# Altium PCB STM32CoreBoard_丝印.PcbDoc (continued)
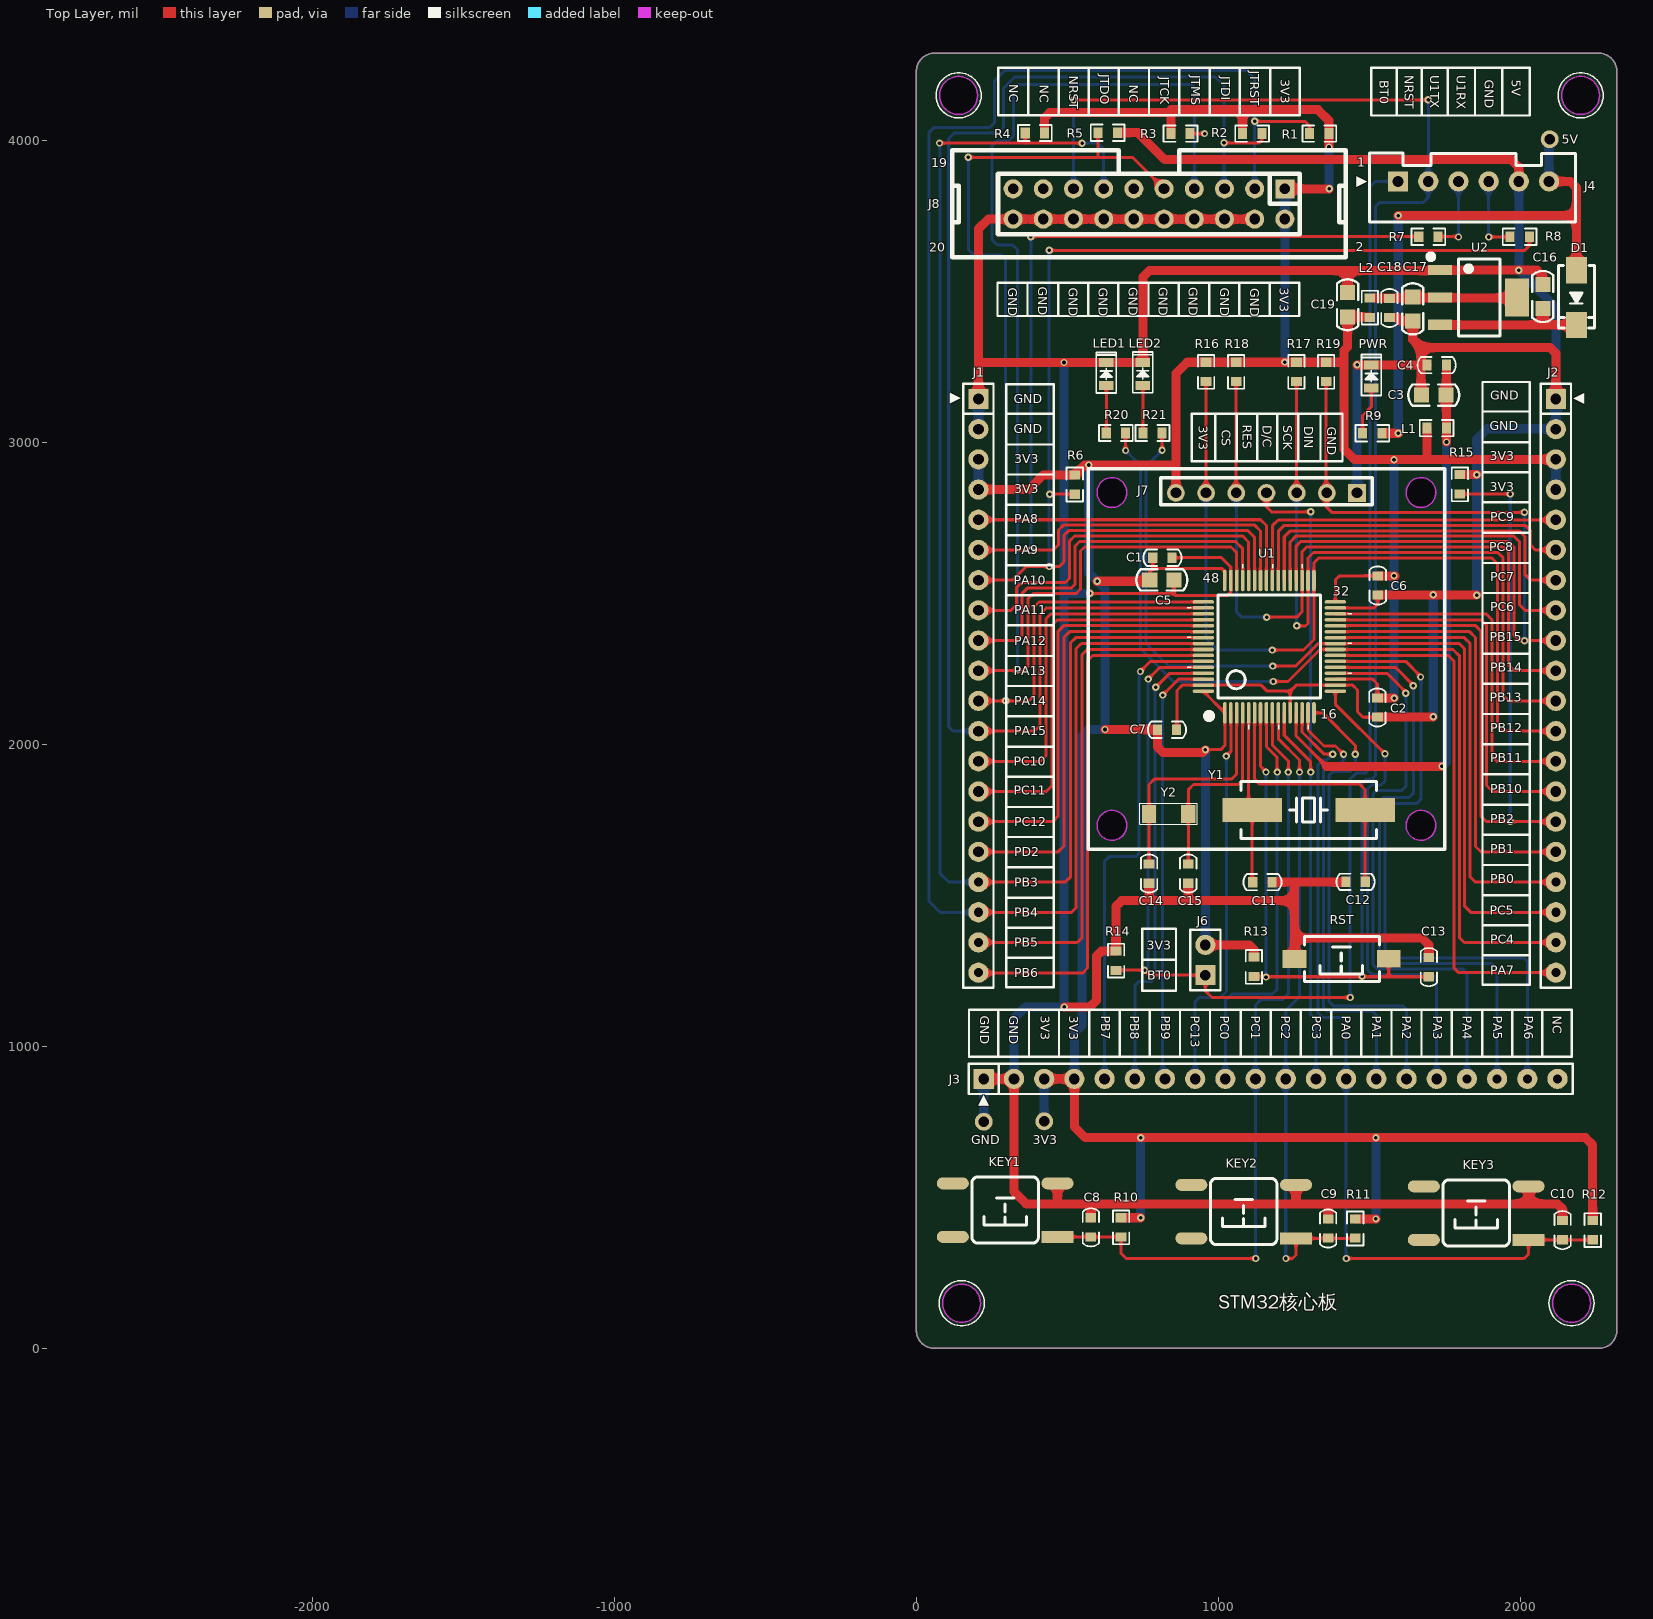
[diagram p0: Top Layer view]
## Nets (pads, with @x,y where several pads share a name; then routed paths per layer and width w, separated by ;. In a path a pad name is that pad's centre, name@x,y a point inside that pad or via, vN(x,y) a via of type N, cw(c..) or ccw(c..) an arc to the next point about the centre after c; other vN are vias at no path point) (continued)
  Bottom Layer w30: J1.2 J1.1 ; GND.1 J3.1 ; J3.2 323.43,1093.43 361,1131 v1(490.16,1131) ; v1@489,1131.89 v1(489,3265.38) ; 492,2501 v1(574,2501) ; J7.1 v1(1459.65,3257.65) ; v1(1712,2092) v1(1712,2496) ; v1(1856,2495) v1(1856,2894) 1856,3011 1891,3046 2116.8,3046 J2.2 J2.1 2118.11,3447.89 v1(1995,3571) ; v1@1995.47,3571.47 J4.5
I2C1_SCL: J1.20 U1.58 | length 1771.4
  Top Layer w10: J1.20@214.17,1236.22 221.06,1243.11 550.2,1243.11 567.21,1260.13 567.21,2277.84 584.63,2295.26 U1.58
I2C1_SDA: J3.5 U1.59 | length 1672.6
  Top Layer w10: v1(742,2242) 775.57,2275.57 U1.59
  Bottom Layer w10: J3.5 623.43,1613.43 639,1629 727,1629 738,1640 738,2238 v1(742,2242)
JTCK: J1.11 J8.9 R5.2 U1.49 | length 3730.6
  Top Layer w10: v1(172.13,3945.01) 586.87,3944.87 602,3944.87 ; J1.11 372.05,2144.68 389.76,2162.4 389.76,2455.71 406.48,2472.43 U1.49 ; R5.2 601.86,3945.01 602,3944.87 ; J8.9 716.15,3944.87 602,3944.87
  Bottom Layer w10: v1(172.13,3945.01) 172.13,3639.87 190,3622 281,3622 296,3607 v1(296,2145)
JTDI: J1.12 J8.5 R2.2 U1.50 | length 4760.5
  Top Layer w10: J1.12 390.68,2044.68 409.45,2063.45 409.45,2432.09 430.1,2452.74 U1.50 ; v1(1018.91,3992.91) 1135.62,3992.91 1144.2,4001.49 R2.2
  Bottom Layer w10: J1.12 205.39,2045 121,2045 107.31,2058.68 107.31,4007.32 125.31,4025.31 269.31,4025.31 288.59,4044.59 288.59,4174 325.59,4211 990.91,4211 1018.91,4183 v1(1018.91,3992.91) 1018.91,3842.53 1018.7,3842.32 J8.5
JTDO: J1.17 J8.13 R4.2 U1.55 | length 4811.6
  Top Layer w10: v1@76.77,3991.14 77.63,3992 v1(549,3992) ; J1.17 493.5,1544.68 509.84,1561.02 509.84,2336.61 527.54,2354.32 U1.55 ; 360.72,3991.14 R4.2
  Bottom Layer w10: v1@77.76,3992.19 77.76,1574 107.07,1544.68 J1.17 ; v1(549,3992) 601,3992 620.47,3972.53 J8.13
  other v1: 76.77,3992.19
JTMS: J1.10 J8.7 R3.2 U1.46 | length 4397.5
  Top Layer w10: J1.10 353.94,2244.68 369.09,2259.84 369.09,2482.09 387,2500 529,2500 544,2515 544,2641 557.68,2654.68 1042.17,2654.68 1061.02,2635.83 U1.46 ; R3.2 v1(954.72,4023.62)
  Bottom Layer w10: v1(335,2247) 335,3639 319,3655 268,3655 250,3673 250,3983 266,3999 305,3999 321,4015 321,4170 337,4186 910.47,4186 920.47,4176 920.47,4023.62 ; J8.7 920.47,4023.62 ; v1(954.72,4023.62) 920.47,4023.62
JTRST: J1.18 J8.3 R1.2 U1.56 | length 6176.2
  Top Layer w10: J1.18 513.58,1444.68 529.53,1460.63 529.53,2317.91 546.24,2334.63 U1.56 ; v1(1120.47,4064.37) 1287.01,4064.37 1302.65,4048.73 R1.2
  Bottom Layer w10: J1.18 78.65,1444.68 41.34,1482 41.34,4026.57 58.07,4043.31 242.13,4043.31 259.25,4060.43 259.25,4199 293.25,4233 1093,4233 1120.47,4205.53 v1(1120.47,4064.37) J8.3
KEY1: C8.1 J3.10 KEY1.1 R10.1 U1.9 | length 2633.4
  Top Layer w10: KEY1.1 R10.1@677.39,369.62 ; R10.1 678.03,314.97 695,298 v1(1124,298) ; U1.9 1179.13,1998.87 1232,1946 v1(1232,1909)
  Bottom Layer w10: v1@1123.43,297.43 J3.10 1123.43,1137.43 1141,1155 1212,1155 1232,1175 v1(1232,1909)
KEY2: C9.1 J3.11 KEY2.1 R11.1 U1.10 | length 2144.4
  Top Layer w10: U1.10 1198.82,2019.18 1269,1949 v1(1269,1909) ; v1(1224,298) 1246,298 1257.32,309.32 KEY2.1 R11.1@1453.21,364.62
  Bottom Layer w10: v1@1223.43,298 J3.11 1223.43,1119.43 1269,1165 v1(1269,1909)
KEY3: C10.1 J3.13 KEY3.1 R12.1 U1.14 | length 2839.9
  Top Layer w10: U1.14 1277.56,2041.44 1350.79,1968.21 v1(1379,1968.21) ; v1(1424,298) 2013,298 2027.32,312.32 KEY3.1 R12.1@2239.74,359.62
  Bottom Layer w10: v1(1379,1968.21) 1359.61,1948.82 1345.47,1948.82 1331,1934.35 1331,1110.93 1345.47,1096.46 1411.42,1096.46 1423.43,1084.45 J3.13 v1@1423.43,298
LED1: J2.19 R20.1 U1.24 | length 3136.9
  Top Layer w10: v1(693,2974) R20.1 ; v1(1182,2209) 1231,2209 1336.94,2314.94 1777.57,2314.94 1798.21,2294.31 1798.21,1361.24 1814.76,1344.68 J2.19
  Bottom Layer w10: v1(693,2974) 743,2924 743,2317 851,2209 v1@1171,2209
LED2: J2.18 R21.1 U1.25 | length 2996.6
  Top Layer w10: v1(814,2975) R21.1 ; v1(1180,2260) 1256.54,2260 1331.17,2334.63 1798.24,2334.63 1816.21,2316.66 1816.21,1464.3 1835.83,1444.68 J2.18
  Bottom Layer w10: v1(814,2975) 761,2922 761,2334 835,2260 v1@1170,2260
NetC3_1: C3.1 C4.1 L1.1 U1.13 | length 1935.3
  Top Layer w10: U1.13 1257.87,2028.13 1358,1928
  Top Layer w30: 1358,1928 v1(1741,1928) ; v1@1755.43,3001.57 L1.1 C4.1@1755.43,3254.92
  Bottom Layer w30: v1(1741,1928) 1756,1943 v1(1756,3002)
NetC16_1: C16.1 D1.2 U2.3 | length 481
  Top Layer w30: U2.3@1761.73,3389.76 2075,3389.76 ; C16.1@2081.07,3444 2075,3437.93 2075,3389.76 ; D1.2 2075,3389.76
NetC17_1: C17.1 C18.1 L2.1 U2.2 | length 495.6
  Top Layer w30: L2.1@1516.25,3479.33 1756.81,3479.33 U2.2@2011.81,3479.33
NetLED1_1: LED1.1 R20.2 | length 157
  Top Layer w10: R20.2 LED1.1
NetLED2_1: LED2.1 R21.2 | length 158
  Top Layer w10: R21.2 LED2.1
NetPWR_1: PWR.1 R9.2 | length 162.5
  Top Layer w10: R9.2 1478,3090 1506.89,3118.89 PWR.1
NRST: C13.1 J4.2 J8.15 R13.1 RST.1 U1.7 | length 6081.2
  Top Layer w10: v1(521,4135) 1694.94,4135 v1(1695.47,4135.53) ; R13.1 1155.93,1232.07 1156.93,1231.07 1564.57,1231.07 ; U1.7 1139.76,1928.24 v1@1158,1910 ; RST.1 1564.57,1231.07 ; C13.1 1564.57,1231.07
  Bottom Layer w10: J8.15 521,3841.08 v1(521,4135) ; v1(1158,1230) v1@1158,1910 ; v1(1476.38,1232.28) 1476.38,1872.05 1488.19,1883.86 1506.89,1883.86 1520.67,1897.64 1520.67,3782.48 1533.19,3795 1678,3795 1695.47,3812.47 J4.2 v1(1695.47,4135.53)
  other v1: 1158,1909
OLED_CS: J2.12 J7.6 R16.2 U1.33 | length 2844
  Top Layer w10: J7.6 R16.2 ; v1(1179,2313) 1282,2313 1316.93,2347.93 1316.93,2602.36 1332.66,2618.09 1905.53,2618.09 1924.21,2599.41 1924.21,2062.01 1941.54,2044.68 J2.12
  Bottom Layer w10: J7.6 959.65,2351.35 998,2313 v1@1170,2313
OLED_DC: J3.12 J7.4 U1.11 | length 2317.5
  Top Layer w10: J7.4 1159.65,2787.35 1176,2771 v1(1306,2771) ; U1.11 1218.5,2030.5 1306,1943 v1(1306,1909)
  Bottom Layer w10: v1(1306,2771) v1(1306,1909) 1306,1105.42 1323.43,1087.99 J3.12
OLED_DIN: J2.9 J7.2 R19.2 U1.36 | length 2795.1
  Top Layer w10: U1.36 1257.87,2657.33 1272.64,2672.09 1961.76,2672.09 1979.46,2654.39 1979.46,2362.07 1996.85,2344.68 J2.9 ; R19.2 1357.28,2787.97 1376,2769.25 v1(2014.25,2769.25)
  Bottom Layer w10: J7.2@1357.28,2836.02 J7.2 ; v1(2014.25,2343.75) v1(2014.25,2769.25)
OLED_RES: J2.10 J7.5 R18.2 U1.35 | length 2419.1
  Top Layer w10: R18.2 1059.06,2834.25 J7.5 ; v1@1170,2422 1260,2422 1277.56,2439.56 1277.56,2638.78 1292.87,2654.09 1943.35,2654.09 1961.46,2635.98 1961.46,2262.94 1979.72,2244.68 J2.10
  Bottom Layer w10: J7.5 1059.65,2440.35 1078,2422 v1(1160,2422)
OLED_SCK: J2.11 J7.3 R17.2 U1.34 | length 2365.6
  Top Layer w10: R17.2 1258.86,2834.45 J7.3 ; v1@1260,2393 1289,2393 1297.24,2401.24 1297.24,2618.11 1315.23,2636.09 1925.91,2636.09 1943.46,2618.54 1943.46,2162.83 1961.61,2144.68 J2.11
  Bottom Layer w10: v1(1259.65,2393.35) J7.3
OSC32_IN: C14.1 U1.3 Y2.1 | length 770.6
  Top Layer w10: C14.1 Y2.1 770.67,1868.11 788.18,1885.62 1044.08,1885.62 1061.02,1902.56 U1.3
OSC32_OUT: C15.1 U1.4 Y2.2 | length 661.5
  Top Layer w10: C15.1@900.59,1604.83 Y2.2 900.59,1850.39 917.82,1867.62 1065.45,1867.62 1080.71,1882.87 U1.4
OSC_IN: C11.1 U1.5 Y1.1 | length 566.4
  Top Layer w10: U1.5 1100.39,1795.28 Y1.1 1112.2,1546.58 C11.1
OSC_OUT: C12.1 U1.6 Y1.2 | length 905.6
  Top Layer w10: U1.6 1120.08,1886.81 1137.8,1869.09 1468.5,1869.09 1486.22,1851.38 Y1.2 1486.22,1545.77 C12.1
PA1: J3.14 U1.15 | length 1491.1
  Top Layer w10: U1.15 1297.24,2047.76 1350,1995 1388.21,1995 v1(1415,1968.21)
  Bottom Layer w10: v1(1415,1968.21) 1415,1948.46 1396.23,1929.69 1362.76,1929.69 1349,1915.93 1349,1128.36 1360.36,1117 1510.95,1117 1523.43,1104.53 J3.14
PA2: J3.15 U1.16 | length 1597.4
  Top Layer w10: U1.16 1345.72,2105.28 1454,1997 v1(1454,1968.21)
  Bottom Layer w10: v1(1454,1968.21) 1454,1928.41 1436.02,1910.43 1378.94,1910.43 1367,1898.5 1367,1148.75 1380.75,1135 1612.05,1135 1623.43,1123.62 J3.15
PA3: J3.16 U1.17 | length 1608
  Top Layer w10: U1.17 1387.8,2133.86 v1(1552.17,1969.49)
  Bottom Layer w10: v1(1552.17,1969.49) 1552.17,1878.94 1539.09,1865.86 1507.59,1865.86 1494.38,1852.65 1494.38,1252.67 1507.87,1239.17 1709.65,1239.17 1723.43,1225.39 J3.16
PA4: J3.17 U1.20 | length 1928.6
  Top Layer w10: U1.20 1558.8,2236.2 1621,2174 v1(1621,2170)
  Bottom Layer w10: v1(1621,2170) 1621,1861.16 1607.7,1847.86 1525.02,1847.86 1512.38,1835.21 1512.38,1271.09 1526.29,1257.17 1809.76,1257.17 1823.43,1243.5 J3.17
PA5: J3.18 U1.21 | length 2053.6
  Top Layer w10: U1.21 1587.11,2255.89 1646,2197 v1(1646,2195)
  Bottom Layer w10: v1(1646,2195) 1646,1838.91 1631.89,1824.8 1546.26,1824.8 1534.45,1812.99 1534.45,1289.37 1548.65,1275.17 1905.83,1275.17 1923.43,1257.57 J3.18
PA6: J3.19 U1.22 | length 2195.6
  Top Layer w10: U1.22 1620.43,2275.57 1670,2226 v1(1670,2224)
  Bottom Layer w10: v1@1669,2224 v1(1670,2224) 1671,2223 1671,1818.64 1656.5,1804.13 1565.24,1804.13 1552.45,1791.34 1552.45,1308.77 1568.05,1293.17 2012.83,1293.17 2023.43,1282.57 J3.19
PA7: J2.20 U1.23 | length 1760.5
  Top Layer w10: U1.23 1761.83,2295.26 1780.21,2276.87 1780.21,1261.13 1796.65,1244.68 J2.20
PA8: J1.5 U1.41 | length 1143.8
  Top Layer w10: J1.5 1140.16,2744.68 1159.45,2725.39 U1.41
PA9: J1.6 R7.1 U1.42 | length 3492.7
  Top Layer w10: J1.6 206.69,2643.7 452.7,2643.7 471,2662 471,2711 486.68,2726.68 1120.76,2726.68 1139.76,2707.68 U1.42 ; v1(379.09,3682.09) R7.1
  Bottom Layer w10: v1(379,2644) 379.09,2644.09 v1(379.09,3682.09)
PA10: J1.7 R6.2 R8.1 U1.43 | length 3942.1
  Top Layer w10: J1.7 318.68,2544.68 364,2590 v1(440,2590) 473,2590 489,2606 489,2693 504.68,2708.68 1098.43,2708.68 1120.08,2687.03 U1.43 ; v1(440,3637) 2015,3637 2030.03,3652.03 R8.1 ; v1(441.78,2829.22) R6.2
  Bottom Layer w10: v1(440,2590) v1(440,3637)
PA11: J1.8 U1.44 | length 1238.1
  Top Layer w10: J1.8 313.78,2444.68 331,2461.91 331,2519 349,2537 493,2537 508,2552 508,2675 523.68,2690.68 1080.97,2690.68 1100.39,2671.26 U1.44
PA12: J1.9 U1.45 | length 1281.5
  Top Layer w10: J1.9 332.87,2344.68 349.41,2361.22 349.41,2499.95 367.46,2518 512,2518 526,2532 526,2658 540.68,2672.68 1057.09,2672.68 1080.71,2649.06 U1.45
PB0: J2.17 U1.26 | length 1518.9
  Top Layer w10: U1.26 1814.98,2354.31 1834.21,2335.08 1834.21,1561.46 1850.98,1544.68 J2.17
PB1: J2.16 U1.27 | length 1437.7
  Top Layer w10: U1.27 1832.69,2374 1852.21,2354.48 1852.21,1662.55 1870.08,1644.68 J2.16
PB2: J2.15 R15.1 U1.28 | length 2609.9
  Top Layer w10: U1.28 1852.38,2393.68 1870.21,2375.85 1870.21,1762.66 1888.19,1744.68 J2.15 ; R15.1 v1@1966.8,2830.2
  Bottom Layer w10: v1(1967,1745) v1(1967,2830)
PB5: J1.19 U1.57 | length 1695.9
  Top Layer w10: J1.19 532.68,1344.68 549.21,1361.22 549.21,2298.23 565.93,2314.94 U1.57
PB8: J3.6 U1.61 | length 1527
  Top Layer w10: v1(793,2190) 839.2,2236.2 U1.61
  Bottom Layer w10: J3.6 723.43,1201.43 738,1216 779,1216 791,1228 791,2188 v1(793,2190)
PB9: J3.7 U1.62 | length 1430.9
  Top Layer w10: v1(816,2164) 868.52,2216.52 U1.62
  Bottom Layer w10: v1(816,2164) 816,900.14 J3.7
PB10: J2.14 U1.29 | length 1276.6
  Top Layer w10: U1.29 1870.09,2413.37 1888.21,2395.25 1888.21,1864.74 1908.27,1844.68 J2.14
PB11: J2.13 U1.30 | length 1197.2
  Top Layer w10: U1.30 1886.83,2433.06 1906.21,2413.67 1906.21,1961.9 1923.43,1944.68 J2.13
PC0: J3.9 U1.8 | length 1376.9
  Top Layer w10: U1.8 1159.45,1993.1 1195,1957.54 v1(1195,1909)
  Bottom Layer w10: J3.9 1023.43,1152.43 1045,1174 1179,1174 1195,1190 v1(1195,1909)
PC6: J2.8 U1.37 | length 1239.6
  Top Layer w10: U1.37 1238.19,2671.26 1257.02,2690.09 1979.2,2690.09 1997.46,2671.83 1997.46,2463.17 2015.94,2444.68 J2.8
PC7: J2.7 U1.38 | length 1193.5
  Top Layer w10: U1.38 1218.5,2687.99 1238.61,2708.09 1996.63,2708.09 2015.46,2689.26 2015.46,2564.26 2035.04,2544.68 J2.7
PC8: J2.6 U1.39 | length 1152.7
  Top Layer w10: U1.39 1198.82,2706.69 1218.22,2726.09 2017.02,2726.09 2033.46,2709.65 2033.46,2661.42 2050.2,2644.68 J2.6
PC9: J2.5 U1.40 | length 1130.9
  Top Layer w10: U1.40 1179.13,2724.41 1198.82,2744.09 2111.62,2744.09 J2.5@2118.11,2750.59
PC10: J1.13 U1.51 | length 1213.2
  Top Layer w10: J1.13 411.22,1944.68 428.94,1962.4 428.94,2416.14 445.85,2433.06 U1.51
PC11: J1.14 U1.52 | length 1292
  Top Layer w10: J1.14 430.31,1844.68 448.82,1863.19 448.82,2394.68 467.5,2413.37 U1.52
PC12: J1.15 U1.53 | length 1372.5
  Top Layer w10: J1.15 451.38,1744.68 468.5,1761.81 468.5,2374.02 488.17,2393.68 U1.53
PC13: J3.8 U1.2 | length 1303
  Top Layer w10: v1(1026,1962) 1041.34,1977.34 U1.2
  Bottom Layer w10: J3.8 923.43,1148.43 938,1163 1007.54,1163 1027,1182.46 1027,1961 v1(1026,1962)
PD2: J1.16 U1.54 | length 1452.1
  Top Layer w10: J1.16 205.71,1644.99 469.8,1644.99 489.17,1664.37 489.17,2355.31 507.86,2374 U1.54
USART1_RX: J4.4 R8.2 | length 253.6
  Top Layer w10: v1(1895.47,3681.3) R8.2@1965.24,3681.3
  Bottom Layer w10: v1(1895.47,3681.3) J4.4
USART1_TX: J4.3 R7.2 | length 249.7
  Top Layer w10: R7.2@1728.06,3682.87 v1@1795.47,3682.87
  Bottom Layer w10: v1@1795.47,3682.87 J4.3
  other v1: 1795.47,3681.3
pads on no net: J3.20 J8.11 J8.17 J8.19 KEY1.3 KEY1.4 KEY2.3 KEY2.4 KEY3.3 KEY3.4

## Polygon pours and split planes (outlines as drawn)
GND on Bottom Overlay "Bottom Layer-No Net" (solid, remove dead copper): -48,4358 -36,4370 2448,4370

## Keep-outs
Keep-Out Layer:
  circle w5: c140,4150 r62.99
  circle w5: c2200,4150 r62.99
  circle w5: c2170,150 r62.99
  circle w5: c150,150 r62.99
  lines w5: 0,4230.13 0,60 ccw(c59.87,60) 59.87,0.13 ; 0.13,4230.13 cw(c60,4230.13) 60,4290 ; 59.87,0 2260,0 ccw(c2260,59.87) 2319.87,59.87 2319.87,4230 ; 59.87,4290 2260,4290 ; 2260.13,4289.87 cw(c2260.13,4230) 2320,4230

## Silkscreen, mask and mechanical layers (free items; w line width, h text height)
Top Overlay:
  circle w5: c140,4150 r74.79
  circle w5: c2200,4150 r74.79
  circle w5: c2170,150 r74.79
  circle w5: c150,150 r74.79
  lines w7.87: 268.7,3528.54 268.7,3419.29 1267.72,3419.29 1267.72,3529.53 268.7,3529.53 ; 270.67,4240.16 270.67,4084.65 1269.68,4084.65 1269.68,4241.14 270.67,4241.14 ; 271.65,965.55 271.65,1122.05 ; 298.23,1294.29 454.72,1294.29 ; 298.23,1593.5 454.72,1593.5 ; 298.23,1693.9 454.72,1693.9 ; 298.23,1793.31 454.72,1793.31 ; 298.23,1893.7 454.72,1893.7 ; 298.23,2293.31 454.72,2293.31 ; 298.23,2394.68 454.72,2394.68 ; 298.23,2593.5 454.72,2593.5 ; 298.23,2693.9 454.72,2693.9 ; 298.23,2894.68 454.72,2894.68 ; 298.23,3095.47 454.72,3095.47 ; 299.21,1493.11 454.72,1493.11 ; 299.21,1993.11 452.76,1993.11 ; 299.21,2093.5 454.72,2093.5 ; 299.21,2193.9 454.72,2193.9 ; 299.21,2794.29 454.72,2794.29 ; 299.21,2994.09 454.72,2994.09 ; 300.2,2494.09 454.72,2494.09 ; 301.18,1393.7 454.72,1393.7 ; 368.11,3419.29 368.11,3529.53 ; 370.08,4084.65 370.08,4241.14 ; 373.03,966.54 373.03,1122.05 ; 469.49,3419.29 469.49,3529.53 ; 471.46,4084.65 471.46,4241.14 ; 472.44,965.55 472.44,1122.05 ; 568.9,3419.29 568.9,3527.56 ; 570.87,4084.65 570.87,4239.17 ; 572.83,966.54 572.83,1122.05 ; 668.31,3419.29 668.31,3529.53 ; 670.28,4084.65 670.28,4241.14 ; 673.23,965.55 673.23,1122.05 ; 751.52,1287.46 859.79,1287.46 ; 768.7,3419.29 768.7,3529.53 ; 770.67,4084.65 770.67,4241.14 ; 773.62,965.55 773.62,1122.05 ; 869.09,3419.29 869.09,3528.54 ; 871.06,4084.65 871.06,4240.16 ; 873.03,967.52 873.03,1122.05 ; 969.49,3419.29 969.49,3529.53 ; 971.46,4084.65 971.46,4241.14 ; 972.44,965.55 972.44,1122.05 ; 990.16,3095.47 990.16,2938.98 ; 1061.02,2939.96 1061.02,3095.47 ; 1068.9,3419.29 1068.9,3528.54 ; 1070.87,4084.65 1070.87,4240.16 ; 1073.82,965.55 1073.82,1122.05 ; 1128.94,2938.98 1128.94,3095.47 ; 1170.28,3419.29 1170.28,3529.53 ; 1172.24,4084.65 1172.24,4241.14 ; 1173.23,966.54 1173.23,1122.05 ; 1194.88,2939.96 1194.88,3095.47 ; 1264.76,2938.98 1264.76,3095.47 ; 1273.62,966.54 1273.62,1122.05 ; 1338.58,2938.98 1338.58,3095.47 ; 1374.02,966.54 1374.02,1120.08 ; 1473.43,965.55 1473.43,1122.05 ; 1573.82,965.55 1573.82,1122.05 ; 1590.55,4084.65 1590.55,4241.14 ; 1673.23,965.55 1673.23,1122.05 ; 1674.21,4084.65 1674.21,4240.16 ; 1759.84,4084.65 1759.84,4241.14 ; 1773.62,965.55 1773.62,1122.05 ; 1850.39,4085.63 1850.39,4241.14 ; 1874.02,966.54 1874.02,1122.05 ; 1875,1302.17 2031.5,1302.17 ; 1875,1601.38 2031.5,1601.38 ; 1875,1701.77 2031.5,1701.77 ; 1875,1801.18 2031.5,1801.18 ; 1875,1901.57 2031.5,1901.57 ; 1875,2301.18 2031.5,2301.18 ; 1875,2402.56 2031.5,2402.56 ; 1875,2601.38 2031.5,2601.38 ; 1875,2701.77 2031.5,2701.77 ; 1875,2902.56 2031.5,2902.56 ; 1875,3103.35 2031.5,3103.35 ; 1875.98,1500.98 2031.5,1500.98 ; 1875.98,2000.98 2029.53,2000.98 ; 1875.98,2101.38 2031.5,2101.38 ; 1875.98,2201.77 2031.5,2201.77 ; 1875.98,2802.17 2031.5,2802.17 ; 1875.98,3001.97 2031.5,3001.97 ; 1876.97,2501.97 2031.5,2501.97 ; 1877.95,1401.57 2031.5,1401.57 ; 1940.95,4084.65 1940.95,4241.14 ; 1973.43,968.5 1973.43,1122.05 ; 2072.83,965.55 2072.83,1122.05 ; 298.23,1196.85 298.23,3192.91 454.72,3192.91 454.72,1196.85 298.23,1196.85 ; 298.23,1196.85 298.23,1196.85 ; 990.16,2938.98 912.4,2938.98 912.4,3095.47 1411.42,3095.47 1411.42,2938.98 990.16,2938.98 ; 174.21,965.55 174.21,1122.05 2170.28,1122.05 2170.28,965.55 174.21,965.55 ; 748.57,1184.12 859.79,1184.12 859.79,1389.83 748.57,1389.83 748.57,1184.12 ; 1506.89,4083.66 2031.5,4083.66 2031.5,4241.14 1506.89,4241.14 1506.89,4083.66 ; 1875,1204.72 2031.5,1204.72 2031.5,3200.79 1875,3200.79 1875,1204.72
  text "JTRST" at 1106.3,4232.28 h30 r270
  text "JTDO" at 608.27,4219.49 h30 r270
  text "U1RX" at 1789.37,4217.52 h30 r270
  text "JTMS" at 910.43,4216.54 h30 r270
  text "NRST" at 1617.13,4216.54 h30 r270
  text "U1TX" at 1702.76,4216.54 h30 r270
  text "NRST" at 506.89,4215.55 h30 r270
  text "JTDI" at 1009.84,4213.58 h30 r270
  text "JTCK" at 807.09,4212.6 h30 r270
  text "3V3" at 1206.69,4203.74 h30 r270
  text "GND" at 1882.87,4202.76 h30 r270
  text "5V" at 1971.46,4201.77 h30 r270
  text "BT0" at 1535.43,4199.8 h30 r270
  text "NC" at 307.09,4187.01 h30 r270
  text "NC" at 409.45,4186.02 h30 r270
  text "NC" at 705.71,4186.02 h30 r270
  text "▲" at 1451.77,3881.89 h60 r270
  text "GND" at 404.53,3515.75 h30 r270
  text "GND" at 703.74,3514.76 h30 r270
  text "GND" at 802.17,3514.76 h30 r270
  text "GND" at 902.56,3514.76 h30 r270
  text "GND" at 305.12,3513.78 h30 r270
  text "GND" at 504.92,3513.78 h30 r270
  text "GND" at 603.35,3513.78 h30 r270
  text "3V3" at 1202.76,3513.78 h30 r270
  text "GND" at 1005.91,3512.8 h30 r270
  text "GND" at 1106.3,3511.81 h30 r270
  text "▲" at 105,3165 h60 r270
  text "GND" at 1900.59,3142.72 h30
  text "GND" at 321.85,3129.92 h30
  text "▲" at 2219,3127 h60 r90
  text "RES" at 1081.69,3059.06 h30 r270
  text "D/C" at 1146.65,3058.07 h30 r270
  text "SCK" at 1215.55,3058.07 h30 r270
  text "3V3" at 936.02,3056.1 h30 r270
  text "DIN" at 1284.45,3055.12 h30 r270
  text "GND" at 1361.22,3052.17 h30 r270
  text "CS" at 1011.81,3042.32 h30 r270
  text "GND" at 1899.61,3041.34 h30
  text "GND" at 322.84,3030.51 h30
  text "3V3" at 1899.61,2941.93 h30
  text "3V3" at 324.8,2931.1 h30
  text "3V3" at 1899.61,2839.57 h30
  text "3V3" at 324.8,2832.68 h30
  text "PC9" at 1900.59,2740.16 h30
  text "PA8" at 323.82,2733.27 h30
  text "PC8" at 1896.65,2640.75 h30
  text "PA9" at 323.82,2629.92 h30
  text "PC7" at 1900.59,2541.34 h30
  text "PA10" at 322.83,2529.53 h30
  text "PC6" at 1900.59,2440.95 h30
  text "PA11" at 324.8,2431.1 h30
  text "PB15" at 1899.61,2341.54 h30
  text "PA12" at 323.82,2329.72 h30
  text "PB14" at 1900.59,2241.14 h30
  text "PA13" at 322.84,2229.33 h30
  text "PB13" at 1899.61,2141.73 h30
  text "PA14" at 323.82,2129.92 h30
  text "PB12" at 1901.57,2040.35 h30
  text "PA15" at 323.82,2031.5 h30
  text "PB11" at 1900.59,1940.94 h30
  text "PC10" at 322.84,1929.13 h30
  text "PB10" at 1900.59,1839.57 h30
  text "PC11" at 321.85,1833.66 h30
  text "PB2" at 1901.57,1740.16 h30
  text "PC12" at 324.8,1729.33 h30
  text "PB1" at 1901.58,1640.75 h30
  text "PD2" at 324.8,1630.91 h30
  text "PB0" at 1900.59,1541.34 h30
  text "PB3" at 323.82,1529.53 h30
  text "PC5" at 1899.61,1437.01 h30
  text "PB4" at 325,1429 h30
  text "PC4" at 1901.57,1340.55 h30
  text "PB5" at 324.8,1330.71 h30
  text "3V3" at 763.33,1319.94 h30
  text "PA7" at 1901.58,1238.19 h30
  text "PB6" at 323.82,1229.33 h30
  text "BT0" at 764.31,1220.54 h30
  text "GND" at 211.65,1101.47 h30 r270
  text "GND" at 307.12,1101.47 h30 r270
  text "3V3" at 411.45,1101.47 h30 r270
  text "3V3" at 505.94,1101.47 h30 r270
  text "PB7" at 612.24,1101.47 h30 r270
  text "PB8" at 708.69,1101.47 h30 r270
  text "PB9" at 811.06,1101.47 h30 r270
  text "PC13" at 909.48,1101.47 h30 r270
  text "PC0" at 1006.92,1101.47 h30 r270
  text "PC1" at 1109.28,1101.47 h30 r270
  text "PC2" at 1208.69,1101.47 h30 r270
  text "PC3" at 1312.04,1101.47 h30 r270
  text "PA0" at 1408.5,1101.47 h30 r270
  text "PA1" at 1509.87,1101.47 h30 r270
  text "PA2" at 1609.28,1101.47 h30 r270
  text "PA3" at 1712.63,1101.47 h30 r270
  text "PA4" at 1810.07,1101.47 h30 r270
  text "PA5" at 1911.45,1101.47 h30 r270
  text "PA6" at 2012.83,1101.47 h30 r270
  text "NC" at 2108.27,1101.47 h30 r270
  text "▲" at 205,798 h60
  text "STM32核心板" at 1000,115 h80
Bottom Overlay:
  rectangle: 772,2044 1559.4,2437.7
  lines w7.87: 271.67,964.72 271.67,1121.22 ; 299.21,1296.26 455.71,1296.26 ; 299.21,1397.64 454.72,1397.64 ; 299.21,1497.05 455.71,1497.05 ; 299.21,1597.44 454.72,1597.44 ; 299.21,1697.83 455.71,1697.83 ; 299.21,1798.23 455.71,1798.23 ; 299.21,1897.64 453.74,1897.64 ; 299.21,1997.05 455.71,1997.05 ; 299.21,2098.43 455.71,2098.43 ; 299.21,2197.83 454.72,2197.83 ; 299.21,2298.23 454.72,2298.23 ; 299.21,2498.03 455.71,2498.03 ; 299.21,2598.43 455.71,2598.43 ; 299.21,2697.83 455.71,2697.83 ; 299.21,2798.23 455.71,2798.23 ; 299.21,2898.62 454.72,2898.62 ; 299.21,2998.03 452.76,2998.03 ; 299.21,3097.44 455.71,3097.44 ; 301.18,2398.62 454.72,2398.62 ; 370.08,3508.62 370.08,3665.12 ; 371.11,3908.5 371.11,4065 ; 373.05,965.71 373.05,1121.22 ; 471.46,3508.62 471.46,3665.12 ; 472.46,964.72 472.46,1121.22 ; 472.49,3908.5 472.49,4065 ; 570.87,3508.62 570.87,3663.15 ; 571.9,3908.5 571.9,4063.03 ; 572.85,965.71 572.85,1121.22 ; 670.28,3508.62 670.28,3665.12 ; 671.31,3908.5 671.31,4065 ; 673.24,964.72 673.24,1121.22 ; 750.55,1287 860.79,1287 ; 770.67,3508.62 770.67,3665.12 ; 771.7,3908.5 771.7,4065 ; 773.64,964.72 773.64,1121.22 ; 871.06,3508.62 871.06,3664.13 ; 872.09,3908.5 872.09,4064.02 ; 873.05,966.69 873.05,1121.22 ; 912.4,2907.48 912.4,3059.06 ; 971.46,3508.62 971.46,3665.12 ; 972.46,964.72 972.46,1121.22 ; 972.49,3908.5 972.49,4065 ; 1011.81,2907.48 1011.81,3061.02 ; 1070.87,3508.62 1070.87,3664.13 ; 1071.9,3908.5 1071.9,4064.02 ; 1073.83,964.72 1073.83,1121.22 ; 1112.2,2907.48 1112.2,3062.01 ; 1172.24,3508.62 1172.24,3665.12 ; 1173.24,965.71 1173.24,1121.22 ; 1173.28,3908.5 1173.28,4065 ; 1212.6,2907.48 1212.6,3062.01 ; 1268.7,3664.13 270.67,3664.13 270.67,3508.62 1269.68,3508.62 1269.68,3665.12 ; 1269.73,4064.02 271.7,4064.02 271.7,3908.5 1270.72,3908.5 1270.72,4065 ; 1273.64,965.71 1273.64,1121.22 ; 1312.01,2907.48 1312.01,3062.01 ; 1374.03,965.71 1374.03,1119.25 ; 1412.4,2907.48 1412.4,3062.01 ; 1473.44,964.72 1473.44,1121.22 ; 1510.83,3062.01 812.99,3062.01 812.99,2909.45 814.96,2907.48 1511.81,2907.48 1511.81,3061.02 ; 1573.83,964.72 1573.83,1121.22 ; 1640.75,3618.11 1640.75,3774.61 ; 1673.24,964.72 1673.24,1121.22 ; 1741.14,3618.11 1741.14,3773.62 ; 1773.64,964.72 1773.64,1121.22 ; 1841.54,3618.11 1841.54,3774.61 ; 1872.05,1304.13 2028.54,1304.13 ; 1872.05,1405.51 2027.56,1405.51 ; 1872.05,1504.92 2028.54,1504.92 ; 1872.05,1605.31 2027.56,1605.31 ; 1872.05,1705.71 2028.54,1705.71 ; 1872.05,1806.1 2028.54,1806.1 ; 1872.05,1905.51 2026.57,1905.51 ; 1872.05,2004.92 2028.54,2004.92 ; 1872.05,2106.3 2028.54,2106.3 ; 1872.05,2205.71 2027.56,2205.71 ; 1872.05,2306.1 2027.56,2306.1 ; 1872.05,2505.91 2028.54,2505.91 ; 1872.05,2606.3 2028.54,2606.3 ; 1872.05,2705.71 2028.54,2705.71 ; 1872.05,2806.1 2028.54,2806.1 ; 1872.05,2906.5 2027.56,2906.5 ; 1872.05,3005.91 2025.59,3005.91 ; 1872.05,3105.31 2028.54,3105.31 ; 1874.03,965.71 1874.03,1121.22 ; 1874.02,2406.5 2027.56,2406.5 ; 1940.95,3618.11 1940.95,3773.62 ; 1973.44,967.68 1973.44,1121.22 ; 2042.32,3618.11 2042.32,3774.61 ; 2072.85,964.72 2072.85,1121.22 ; 174.23,964.72 174.23,1121.22 2170.29,1121.22 2170.29,964.72 174.23,964.72 ; 299.21,1198.82 299.21,3194.88 455.71,3194.88 455.71,1198.82 299.21,1198.82 ; 750.55,1186.1 750.55,1387.87 860.79,1387.87 860.79,1188.07 858.82,1186.1 750.55,1186.1 ; 1540.35,3618.11 2139.76,3618.11 2139.76,3775.59 1540.35,3775.59 1540.35,3618.11 ; 1872.05,1206.69 1872.05,3202.76 2028.54,3202.76 2028.54,1206.69 1872.05,1206.69
  text "JTRST" at 1137.84,4056.14 h30 r90
  text "NRST" at 535.48,4040.39 h30 r90
  text "JTDO" at 636.86,4040.39 h30 r90
  text "JTCK" at 836.66,4041.38 h30 r90
  text "JTMS" at 938.04,4040.39 h30 r90
  text "JTDI" at 1035.48,4036.46 h30 r90
  text "3V3" at 1236.27,4025.63 h30 r90
  text "NC" at 334.69,4008.9 h30 r90
  text "NC" at 733.31,4008.9 h30 r90
  text "NC" at 438.04,4006.93 h30 r90
  text "NRST" at 1705.71,3749.02 h30 r90
  text "U1TX" at 1806.1,3749.02 h30 r90
  text "U1RX" at 1906.5,3749.02 h30 r90
  text "BT0" at 1606.3,3740.16 h30 r90
  text "GND" at 2007.87,3738.19 h30 r90
  text "5V" at 2108.27,3738.19 h30 r90
  text "GND" at 335.63,3628.7 h30 r90
  text "GND" at 436.02,3628.7 h30 r90
  text "GND" at 534.45,3628.7 h30 r90
  text "GND" at 634.84,3628.7 h30 r90
  text "GND" at 735.24,3628.7 h30 r90
  text "GND" at 836.61,3628.7 h30 r90
  text "GND" at 1036.42,3628.7 h30 r90
  text "GND" at 1136.81,3628.7 h30 r90
  text "3V3" at 1237.2,3628.7 h30 r90
  text "GND" at 935.04,3627.72 h30 r90
  text "GND" at 2000,3143.7 h30
  text "GND" at 431.1,3130.91 h30
  text "GND" at 2000,3042.32 h30
  text "D/C" at 1178.15,3037.4 h30 r90
  text "GND" at 432.09,3031.5 h30
  text "3V3" at 876.97,3030.51 h30 r90
  text "RES" at 1074.8,3029.53 h30 r90
  text "SCK" at 1276.57,3028.54 h30 r90
  text "GND" at 1479.33,3025.59 h30 r90
  text "DIN" at 1376.97,3024.61 h30 r90
  text "CS" at 978.35,3013.78 h30 r90
  text "3V3" at 2000,2942.91 h30
  text "3V3" at 434.06,2932.09 h30
  text "3V3" at 2000,2840.55 h30
  text "3V3" at 434.06,2833.66 h30
  text "PC9" at 2000,2741.14 h30
  text "PA8" at 433.07,2734.25 h30
  text "PC8" at 2000,2641.73 h30
  text "PA9" at 433.07,2633.86 h30
  text "PC7" at 2000,2542.32 h30
  text "PA10" at 435.04,2535.43 h30
  text "STM32CoreBoard-V1.0.0-20171215" at 1763.78,2482.28 h40
  text "PC6" at 2000,2441.93 h30
  text "PA11" at 434.06,2432.09 h30
  text "PB15" at 2000,2342.52 h30
  text "PA12" at 433.07,2330.71 h30
  text "PB14" at 2000,2242.13 h30
  text "PA13" at 432.09,2230.32 h30
  text "PB13" at 2000,2142.72 h30
  text "PA14" at 433.07,2130.91 h30
  text "PB12" at 2000,2041.34 h30
  text "PA15" at 433.07,2032.48 h30
  text "PB11" at 2000,1941.93 h30
  text "PC10" at 432.09,1930.12 h30
  text "PB10" at 2000,1840.55 h30
  text "PC11" at 431.1,1834.65 h30
  text "PB2" at 2000,1741.14 h30
  text "PC12" at 434.06,1730.32 h30
  text "PB1" at 2000,1641.73 h30
  text "PD2" at 434.06,1631.89 h30
  text "PB0" at 2000,1542.32 h30
  text "PB3" at 433.07,1530.51 h30
  text "PC5" at 2000,1437.99 h30
  text "PB4" at 435,1431 h30
  text "PC4" at 2000,1341.54 h30
  text "PB5" at 434.06,1331.69 h30
  text "3V3" at 842.09,1321.93 h30
  text "PA7" at 2000,1239.17 h30
  text "PB6" at 433.07,1230.32 h30
  text "BT0" at 843.07,1219.57 h30
  text "GND" at 235.25,1100.55 h30 r90
  text "NC" at 2136.83,1098.58 h30 r90
  text "GND" at 336.63,1097.6 h30 r90
  text "3V3" at 436.04,1097.6 h30 r90
  text "3V3" at 539.39,1097.6 h30 r90
  text "PB7" at 637.81,1097.6 h30 r90
  text "PB8" at 738.2,1097.6 h30 r90
  text "PB9" at 836.63,1097.6 h30 r90
  text "PC13" at 937.02,1097.6 h30 r90
  text "PC0" at 1036.43,1097.6 h30 r90
  text "PC1" at 1141.75,1097.6 h30 r90
  text "PC2" at 1239.19,1097.6 h30 r90
  text "PC3" at 1338.6,1097.6 h30 r90
  text "PA0" at 1439.98,1097.6 h30 r90
  text "PA1" at 1538.4,1097.6 h30 r90
  text "PA2" at 1637.81,1097.6 h30 r90
  text "PA3" at 1739.19,1097.6 h30 r90
  text "PA4" at 1836.63,1097.6 h30 r90
  text "PA5" at 1940.96,1097.6 h30 r90
  text "PA6" at 2039.39,1097.6 h30 r90
Mechanical 1:
  lines w10: 124.22,4516.19 124.22,5901.19 2194.22,5901.19 2194.22,4516.19 124.22,4516.19
  text "EDA : AD15" at 404.22,5766.19 h60
  text "VER : V1.0.0" at 404.22,5646.19 h60
  text "DATE : 2017-12-15" at 344.22,5526.19 h60
  text "L*W : 109*59mm" at 404.22,5406.19 h60
  text "H : 1.6mm" at 524.22,5286.19 h60
  text "NAME : STM32CoreBoard" at 344.22,5166.19 h60
  text "LAYER : 2" at 284.22,5046.19 h60
  text "STYLE : FR4" at 284.22,4926.19 h60
  text "COLOUR : GREEN" at 224.22,4806.19 h60
  text "CU : 1 OZ" at 464.22,4686.19 h60
  text "DESIGN : PZQ" at 234.22,4566.19 h60

## Text inside footprints (layer, text, board x,y; h text height)
J8: Top Overlay "19" at 49.21,3911.42 h30; Top Overlay "20" at 43.31,3631.89 h30; Top Overlay "1" at 1460.63,3913.39 h30; Top Overlay "2" at 1454.72,3633.86 h30
U1: Top Overlay "48" at 949.29,2535.79 h32; Top Overlay "32" at 1379.29,2492.79 h32; Top Overlay "16" at 1337.29,2085.79 h32